# KiCad board plinkyblack_hwmidi_jacks.kicad_pcb (continued)
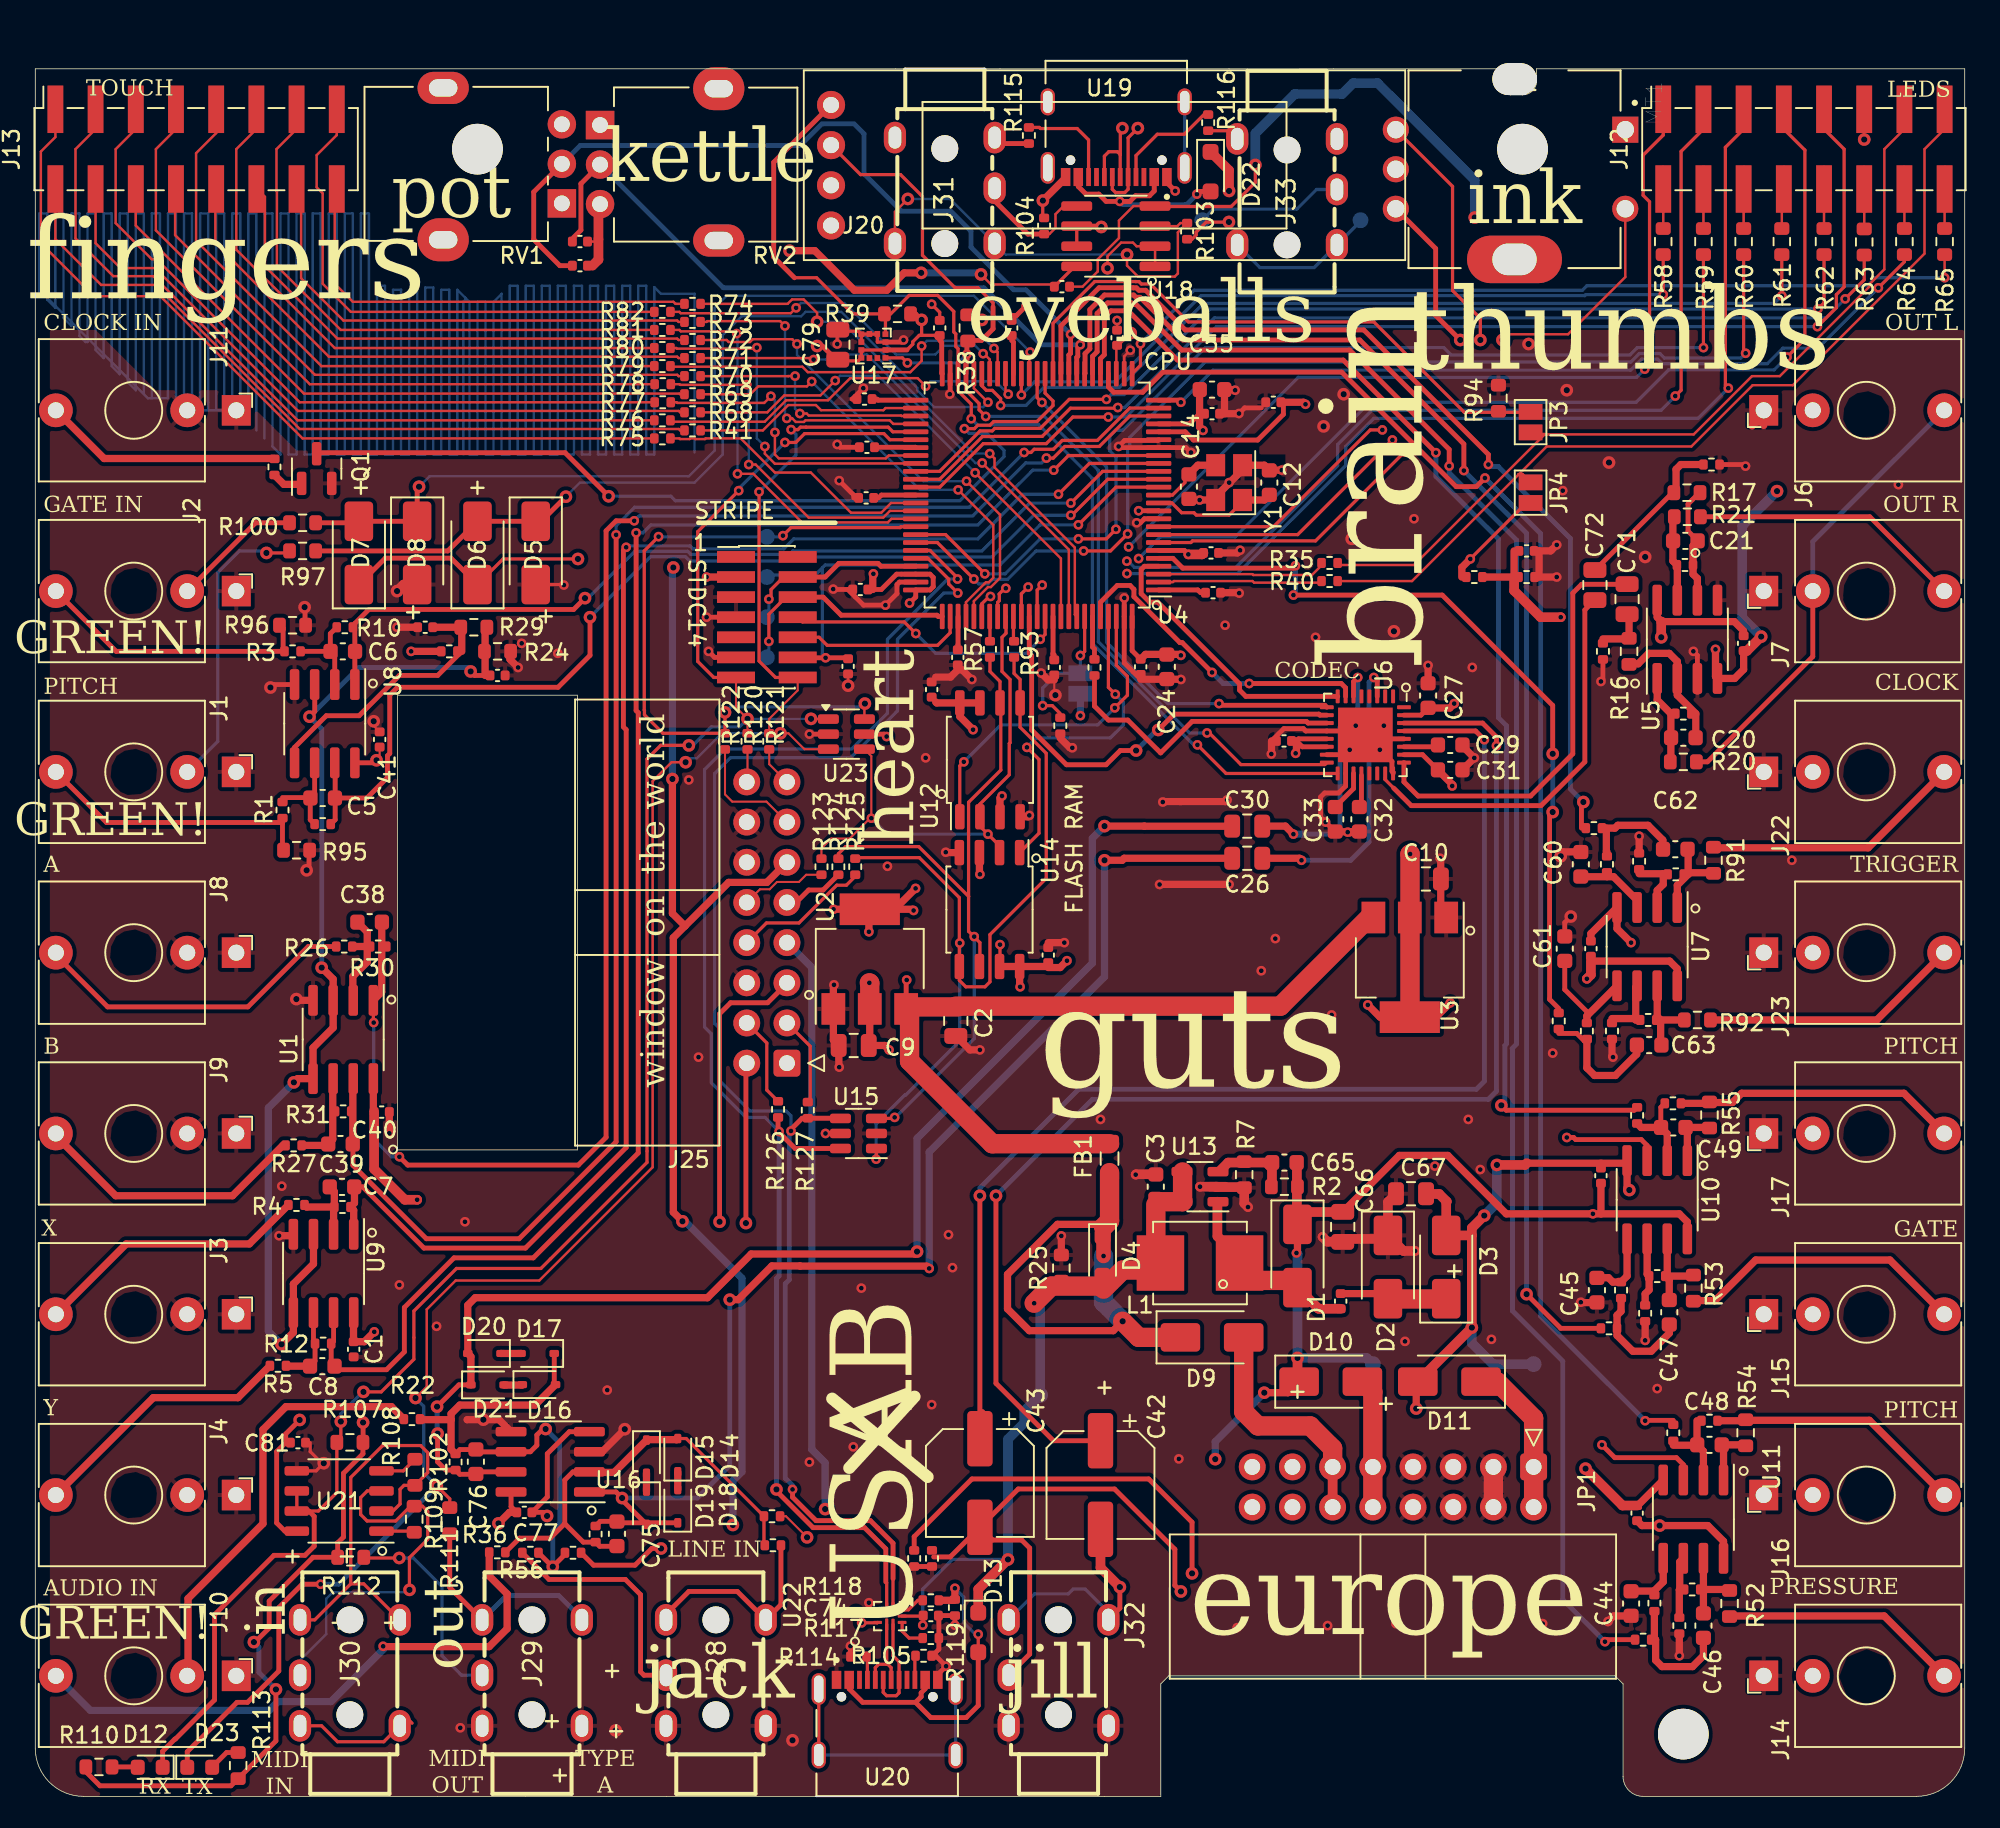
[diagram p0: board, top side]
## Routing (per net, layer and track width the routed paths; a pad name or vN(x,y) marks a point on that pad's centre or on a via; arc(x,y) is an arc through that point) (continued)
VBUS: length 220.4
  Top w0.203: v1(56.08,10.82) 56.11,10.85 C74.1 56.07,11.4 U22.9 ; 64.84,32.61 64.42,32.61
  Top w0.457: D13.1 59.58,12.12
  Top w0.61: v2(75.43,101.5) 75.43,102.8 D22.1 ; v2(61.46,14.98) 59.58,13.1 D13.1 ; 70.99,37.59 70.8,37.41
  Top w1.219: v1(63.12,31.18) 64.2,32.26 67.38,32.26 ; 72.5,39.48 72.5,37.59 70.99,37.59 ; 67.5,32.07 68.71,33.27 70.93,33.27 71.1,33.44 L1.1 ; 70.8,37.41 70.8,33.97
  In2.Cu w0.61: v2(75.43,101.5) 74.51,100.58 74.51,95.29 75.9,93.9 95.6,93.9 110.79,78.72 112.9,78.72 115.28,76.35 115.28,18.14 112.2,15.06 61.55,15.06 v2(61.46,14.98)
  Bottom w0.203: v1(56.08,10.82) 56.08,13.11 57.95,14.98 v2(61.46,14.98)
  Bottom w0.61: v2(61.46,14.98) 61.46,22.58 62.49,23.61 62.49,24.37 T_VBUS1.1 63.49,30.8 v1(63.12,31.18)
VDDA: length 203.9
  Top w0.13: C41.2 21.76,65.7 v2(21.56,65.5)
  Top w0.305: U4.22 72.93,86.77 73.57,87.41 ; U8.8 21.4,65.34 v2(21.56,65.5) ; 88.62,64.9 87.66,65.86 U6.26 ; U6.31 87.56,68.36 88.01,68.81
  Top w0.457: v1(21.42,29.37) 20.79,28.74 C1.2 20.11,28.75 20.11,30.57 U9.8 ; U1.8 21.36,43.31 C40.2 ; v1(84.2,50.04) 84.98,49.26 U3.2 88.51,49.26 v1(89.41,50.17) ; 73.57,88.94 73.57,86.58 v1(73.79,86.36) ; v1(89.66,69.09) 89.38,68.81 88.01,68.81 ; U3.2 86.93,55.64 86.93,58 ; v1(89.54,63.88) 89.54,63.98 88.62,64.9
  Top w0.61: v1(24.13,37.72) 23.35,37.72 21.41,39.66 C40.2
  Top w1.219: 86.87,49.4 86.87,59.57 v1(86.88,59.58)
  In2.Cu w0.61: v1(21.42,29.37) 21.42,33.05 21.95,33.58 21.95,35.54 v1(24.13,37.72) 20.27,41.58 20.27,64.21 v2(21.56,65.5)
  In2.Cu w1.219: 86.87,50.04 89.28,50.04 v1(89.41,50.17) ; 86.87,50.04 v1(84.2,50.04) 82.42,48.26 74.62,48.26 63.18,36.82 57,36.82 56.1,37.72 v1(24.13,37.72) ; 86.87,50.04 86.87,59.57 v1(86.88,59.58) 86.88,61.22 v1(89.54,63.88) 89.54,68.96 v1(89.66,69.09) 89.66,75.18 78.49,86.36 v1(73.79,86.36)
/INPUT_L_SECONDARYIN: length 185.3
  Top w0.13: v2(48.77,16.38) 47.44,17.71 R6.2
  Top w0.152: U18.1 U18.2 69.59,98 69.36,98.23 68.61,98.23 67.75,97.37 v2(67.75,96.61)
  In2.Cu w0.305: 67.75,96.6 67.75,96.33 71.3,92.78 95.1,92.78 110.63,77.25 110.63,71.99 114.17,68.45 114.17,18.54 112.01,16.38 v2(48.77,16.38)
/INPUT_R_SECONDARYIN: length 200.2
  Top w0.203: 66.37,99.27 U18.6 U18.7
  Top w0.305: R23.2 35.27,14.62 37.9,14.62 38.95,15.67 v2(39.54,15.67) ; v2(67.36,99.22) 67.31,99.27 66.37,99.27
  In2.Cu w0.305: v2(67.36,99.22) 67.36,98.07 72.14,93.29 95.3,93.29 110.48,78.12 112.66,78.12 114.68,76.1 114.68,18.4 111.95,15.67 v2(39.54,15.67)
/RING1_4: length 13.1
  Top w0.203: R112.1 20.8,15.07 v2(23,15.07)
  Bottom w0.203: v2(23,15.07) 23.89,15.07 25.7,13.26 25.7,8.89 26.93,7.66 J29.R
/TIP1_5: length 13.9
  Top w0.305: J29.T 26.19,13.21 R111.1
  Bottom w0.305: J29.T 29.78,12.7 33.07,12.7 34.54,11.23 J29.T
ADCDAT: length 34.4
  Top w0.203: U4.38 63.31,88.43 v1(63.61,88.13)
  Top w0.305: v1(74.8,69.09) 74.91,68.98 81.49,68.98 U6.9
  Bottom w0.203: v1(63.61,88.13) 67.69,84.05 67.69,72.96 71.56,69.09 v1(74.8,69.09)
AIN1: length 69
  Top w0.203: U4.15 67.77,83.27 65.5,80.99 v1(65.43,80.99)
  Top w0.305: R9.1 18.95,61.75 18.95,65.32 U8.7 ; 18.95,63.12 20.95,63.12 22.26,64.42 22.26,65.79 22.4,65.94 22.4,69.63 22.89,70.12 33.04,70.12 35.05,72.14 v2(35.05,74.55)
  Bottom w0.203: v1(65.43,80.99) 63.09,80.99 60.45,78.36 48.24,78.36 47.99,78.11 41.35,78.11 41.09,78.37 38.88,78.37 v2(35.05,74.55)
AIN2: length 58.8
  Top w0.203: v1(65.43,81.76) 67.44,83.77 U4.16
  Top w0.305: v2(34.73,75.76) 34.02,75.04 21.08,75.04 20.19,74.15 U8.1
  Bottom w0.203: v1(65.43,81.76) 62.84,81.76 59.82,78.74 47.88,78.74 47.66,78.52 41.42,78.52 41.23,78.72 37.89,78.72 34.93,75.76 v2(34.73,75.76)
AIN3: length 98.7
  Top w0.203: v1(64.65,82.32) 66.6,84.27 U4.17
  Top w0.305: 20.17,38.53 20.69,38.53 24.56,34.66 30.97,34.66 37.34,41.03 37.34,67.44 37.16,67.61 37.16,78.79 v1(37.34,78.97)
  Top w0.457: 20.17,38.53 20.17,37.51 R11.1 20.12,37.06 U9.1
  Bottom w0.203: v1(64.65,82.32) 62.38,82.32 59.56,79.5 47.93,79.5 47.3,78.87 41.55,78.87 41.37,79.06 37.43,79.06 v1(37.34,78.97)
AIN4: length 104.4
  Top w0.203: U4.18 65.28,84.77 v1(64.36,83.84)
  Top w0.305: v1(37.97,79.88) 37.97,68.65 38.1,68.51 38.1,40.68 31.47,34.05 26.46,34.05 23.32,30.91 23.32,28.1 22.2,26.97 19.15,26.97 18.7,27.42 R12.1 18.85,28.77 U9.7
  Bottom w0.203: v1(64.36,83.84) 63.03,83.84 59.57,80.38 38.9,80.38 38.4,79.88 v1(37.97,79.88)
AIN5: length 106.3
  Top w0.203: v1(63.89,84.61) 64.32,84.61 65.06,85.34 67.24,85.34 69.16,87.27 U4.23 ; v1(21.38,48.92) 21.36,48.94 U1.1
  Top w0.305: v1(37.85,80.65) 36.7,80.65 36.07,80.01 36.07,41.67 34.31,39.91 23.53,39.91 v1(23.01,40.44)
  Top w0.457: U1.1 21.89,50.86 21.89,55.26 C38.1
  Bottom w0.203: v1(63.89,84.61) 63.59,84.3 62.59,84.3 59.23,80.95 38.15,80.95 v1(37.85,80.65) ; v1(21.38,48.92) 21.38,41.55 22.5,40.44 v1(23.01,40.44)
AIN6: length 102.9
  Top w0.203: U4.24 69.16,87.77 67.11,85.72 64.89,85.72 64.33,85.17 63.12,85.17 62.92,84.96 v1(62.48,84.96)
  Top w0.305: 20.07,41.24 20.07,39.89 24.71,35.25 30.57,35.25 36.7,41.39 v1(36.7,79.76)
  Top w0.457: U1.7 20.07,45.35 20.07,41.25 20.07,41.24
  Bottom w0.203: v1(36.7,79.76) 36.7,80.33 37.87,81.5 59.02,81.5 v1(62.48,84.96)
AOUT1: length 94.1
  Top w0.305: 103.51,23.77 101.75,23.77 v1(101.73,23.75) ; v1(91.6,83.35) 91.06,82.8 89.79,82.8 82.55,90.04 71.25,90.04 69.98,88.77 68.14,88.77 67.81,89.11 U4.29
  Bottom w0.305: v1(101.73,23.75) 95.12,30.35 95.12,79.83 v1(91.6,83.35)
AOUT2: length 80.5
  Top w0.305: v2(92.64,43.69) 92.95,43.38 101.03,43.38 R49.2 ; v1(88.51,84.95) 82.65,90.81 72.18,90.81 69.06,93.92 67.97,93.92 67.55,93.5 67.55,91.14 67.31,90.9 U4.30
  Bottom w0.305: v2(92.64,43.69) 92.86,43.91 92.86,47.47 92.96,47.57 92.96,67.69 92.46,68.2 92.46,79.5 88.51,83.45 v1(88.51,84.95)
AOUT3: length 111.6
  Top w0.305: U4.31 66.81,91.05 67.1,91.33 67.1,93.76 67.76,94.42 69.27,94.42 69.36,94.33 69.55,94.33 72.44,91.44 83.06,91.44 89.35,85.15 v1(89.35,84.11) ; 100.81,9.91 99.31,9.91 v1(99.19,9.78)
  Bottom w0.305: 93.32,47.28 93.6,47.56 93.6,79.43 89.35,83.68 v1(89.35,84.11) ; v1(99.19,9.78) 96.52,12.45 96.52,27.52 93.34,30.69 93.34,47.26
AOUT4: length 93.1
  Top w0.305: 98.93,29.59 96.39,29.59 v2(94.23,31.75) ; v1(90.27,83.82) 90.27,85.5 83.69,92.08 72.51,92.08 69.81,94.77 69.55,94.77 69.4,94.92 67.56,94.92 66.64,94 66.64,91.52 66.33,91.22 66.33,89.97 U4.32
  Bottom w0.305: v2(94.23,31.75) 94.23,79.86 v1(90.27,83.82)
AOUT5: length 61.9
  Top w0.305: v1(91.82,84.2) 91.82,84.84 83.95,92.71 72.67,92.71 70.16,95.22 69.73,95.22 69.58,95.37 69.38,95.37 69.38,95.38 67.22,95.38 64.81,92.97 U4.35 ; v2(97.82,62.87) 97.7,62.74 97.7,61.21
  Bottom w0.305: v2(97.82,62.87) 97,63.68 97,79.53 92.46,84.07 91.95,84.07 v1(91.82,84.2)
AOUT6: length 49.6
  Top w0.305: 96.27,49.81 95.69,50.39 95.69,62.03 v2(95.89,62.23) ; v2(95.89,65.91) 95.89,68.97 88.91,75.95 v1(79.5,75.95) ; v1(79.63,77.8) 79.48,77.65 72.5,77.65 71.88,78.27 U4.5
  Bottom w0.305: v1(79.5,75.95) 79.63,76.07 v1(79.63,77.8) ; v2(95.89,62.23) v2(95.89,65.91)
CLKIN: length 57.7
  Top w0.203: v1(58.71,86.47) 59.34,86.47 59.56,86.68 60.32,86.68 60.56,86.92 63.3,86.92 64.31,87.93 64.31,88.22 63.81,88.72 U4.37
  Top w0.305: 17.78,84.95 33.48,84.95 v2(36.23,82.2)
  Bottom w0.203: v1(58.71,86.47) 59.01,86.17 60.14,86.17 61.21,85.09 61.21,84.71 58.42,81.91 40.45,81.91 40.16,82.2 v2(36.23,82.2)
DACDAT: length 28.2
  Top w0.305: U4.87 62.81,72.27 62.96,72.12 62.96,67.42 65.16,65.22 67.66,65.22 68.56,66.12 v2(69.56,66.12) ; U6.10 81.17,68.36 81.11,68.42 71.96,68.42 v2(70.96,67.42)
  Bottom w0.305: v2(70.96,67.42) 70.86,67.42 v2(69.56,66.12)
DEBUG: length 45.1
  Top w0.152: v2(52.42,69.09) 52.39,69.06 U23.6
  Top w0.203: U4.67 55.63,80.27 55.63,80.26 54.69,80.26 54.64,80.21 47.75,80.21 v1(47.24,79.71) ; v1(39.38,79.64) 38.48,78.74 38.48,68.69 38.49,68.68 38.49,68.37 39.66,67.21 R122.1 v2(43.58,68.53)
  Bottom w0.203: v2(52.42,69.09) 52.22,68.88 43.94,68.88 v2(43.58,68.53) ; v1(47.24,79.71) 47.17,79.63 TPDEBUG1.1 39.4,79.63 v1(39.38,79.64)
DM: length 92.8
  Top w0.203: U22.2 53.8,13.51 53.74,13.56 ; U4.70 56.53,78.77 58.28,77.03 v1(58.28,76.96)
  Top w0.305: 46.85,19.29 49.15,16.99 52.4,16.99 53.74,15.65 53.74,13.56 ; U15.6 48.01,40.96 47,41.97 v1(47,42.03) 46.94,42.1 R126.1
  Bottom w0.203: v1(58.28,76.96) 57.66,76.96 53.85,73.15 53.85,68.48 51.59,66.22 43.59,66.22 42.29,64.92 42.29,48.64 42.72,48.21 42.72,45.11 44.9,42.93 46.11,42.93 v1(47,42.03)
  Bottom w0.305: v2(46.83,19.41) 46.83,32.74 47,32.91 v1(47,42.03)
DP: length 91.3
  Top w0.203: v1(58.29,76.07) 57.72,76.65 57.72,76.95 56.4,78.27 U4.71 ; 54.2,13.77 U22.1
  Top w0.305: 54.2,13.77 54.2,16 52.77,17.43 49.33,17.43 47.85,18.92 v1(47.85,19.41) ; v1(47.75,42.07) 47.65,42.07 48.46,42.87 R127.1 50.86,42.87 U15.4
  Bottom w0.203: v1(58.29,76.07) 57.4,76.07 54.48,73.15 54.48,68.63 51.52,65.67 43.93,65.67 42.93,64.67 42.93,48.87 43.23,48.56 43.23,45.26 45.16,43.33 47.44,43.33 47.75,43.02 v1(47.75,42.07)
  Bottom w0.305: v1(47.75,42.07) 47.65,41.96 47.65,32.66 47.39,32.41 47.39,20.12 47.85,19.66 v1(47.85,19.41)
FSCLK: length 20.3
  Top w0.305: v1(74.36,71.06) 72.47,72.94 72.33,72.94 69.42,75.85 69.42,76.31 69.18,76.56 68.37,76.56 67.31,75.5 U4.96 ; U6.7 82.8,70.08 82.52,70.36 v1(76.71,70.36)
  Bottom w0.305: v1(74.36,71.06) 75.06,70.36 v1(76.71,70.36)
HPL: length 82.9
  Top w0.305: v2(60.71,37.97) 60.71,26.11 64.33,22.48 C42.1 ; v1(92.33,66.42) 92.33,66.98 91.45,67.86 U6.30
  Bottom w0.305: v2(60.71,37.97) 66.8,44.07 91.82,44.07 92.33,44.58 v1(92.33,66.42)
HPR: length 79.5
  Top w0.305: v2(59.69,37.97) C43.1 ; v1(91.57,66.8) 91.01,67.36 U6.29
  Top w0.457: 59.82,22.23 59.82,24.26
  Bottom w0.305: v2(59.69,37.97) 59.69,38.47 65.93,44.7 91.06,44.7 91.57,45.21 v1(91.57,66.8)
IO1: length 43.5
  Top w0.152: MT1.2 100.47,96.06 96.85,92.44 93.07,92.44 v2(92.71,92.08)
  Top w0.203: U4.7 73.02,79.27 73.13,79.37 80.9,79.37 v1(86.52,84.99)
  In2.Cu w0.152: v2(92.71,92.08) 90.81,90.17 87,90.17 86.52,89.69 86.52,86.26
  In2.Cu w0.203: v1(86.52,84.99) 86.52,86.26
IO2: length 43.2
  Top w0.203: v1(85.76,85.76) 79.77,79.77 U4.8 ; v2(91.31,92.08) 91.31,93.44 89.56,95.2 89.56,101.79 MT1.A
  In2.Cu w0.203: v1(85.76,85.76) 85.76,89.69 87.12,91.06 90.3,91.06 v2(91.31,92.08)
IO3: length 36.7
  Top w0.203: U4.9 78.24,80.27 84.36,86.39 v1(85.12,86.39)
  Top w0.305: v2(90.04,92.08) 88.49,93.63 88.49,97.85 MT1.B
  In2.Cu w0.203: v2(90.04,92.08) 86.11,92.08 85.4,91.37 85.4,87.43 85.12,87.15 v1(85.12,86.39)
JTCK: length 14.7
  Top w0.203: v1(46.35,73.03) 46.35,74.74 47.43,75.82 J5.6
  Top w0.305: J5.6 49.78,75.82 50.93,74.68 56.98,74.68 57.06,74.6 U4.76
  Bottom w0.203: v1(46.35,73.03) 46.35,72.14 T_JTCK1.1
JTDI: length 11.2
  Top w0.203: J5.10 49.53,73.28 50.04,72.77 57.01,72.77 57.81,73.57 U4.77
JTDO: length 18.2
  Top w0.203: U4.89 63.81,73.46 v1(63.5,73.15) ; J5.8 48.48,74.25 54.91,74.25 55.63,73.53
  Bottom w0.203: v1(63.5,73.15) 62.61,72.26 56.9,72.26 v1(55.64,73.52)
JTMS: length 11.8
  Top w0.203: v1(46.35,75.69) 46.49,75.83 46.49,76.3 47.28,77.09 J5.4
  Top w0.305: J5.4 49.91,77.09 50.77,77.95 53.25,77.95 53.43,77.77 U4.72
  Bottom w0.203: T_JTMS1.1 46.35,74.68 v1(46.35,75.69)
LINEINL: length 19.1
  Top w0.305: U6.3 84.8,70.52 v1(84.58,70.74)
  Top w0.457: 77.52,59.31 79.88,59.31 v1(80.01,59.18)
  Bottom w0.305: v1(84.58,70.74) 84.28,70.43 84.28,60.34 83.12,59.18 v1(80.01,59.18)
LINEINR: length 16.7
  Top w0.305: v1(83.57,70.74) 83.3,70.47 U6.6
  Top w0.457: 77.52,61.34 78.99,61.34 v1(79.5,60.83)
  Bottom w0.305: v1(83.57,70.74) 83.57,68.72 82.45,67.6 82.45,61.38 82.32,61.25 82.32,60.99 82.17,60.83 80.14,60.83
  Bottom w0.457: v1(79.5,60.83) 80.14,60.83
LINEOUTL: length 27.2
  Top w0.305: 100.58,76.63 97.71,76.63 97.16,76.07 97.16,65.91 94.49,63.25 87.38,63.25 86.49,64.14 U6.25
LINEOUTR: length 25.2
  Top w0.203: 85.3,64.41 85.3,64.28 85.96,63.63
  Top w0.305: 85.84,63.74 86.95,62.64 95.15,62.64 97.92,65.41 97.92,75.01 98.55,75.64
MCLK: length 18.4
  Top w0.305: 66.93,70.59 66.93,68.93 67.81,68.05 69.03,68.05 71.11,65.97 73.1,67.96 80.32,67.96 80.42,67.86 U6.11
MISO: length 33.6
  Top w0.13: U23.4 52.83,65.77 v3(52.83,61.84) 52.75,61.84 51.46,60.55 50.29,60.55 49.68,59.94 R123.1
  Top w0.203: 60.96,59.56 60.96,60.07 59.69,61.34 U12.2 59.69,62.73 61.54,64.59 61.54,66.56 61.59,66.61 61.59,70.61 61.09,71.12 61.09,73.28 61.34,73.53 61.34,74.56 U4.84
  Bottom w0.203: v3(52.83,61.84) 53.83,60.83 v1(60.2,60.83)
MOSI: length 54.5
  Top w0.203: R125.1 51.87,59.35 55.86,59.35 58.39,56.82 U14.5 58.39,51.59 58.8,51.18 60.01,51.18 60.32,51.5 60.32,54.48 63.88,58.04 63.88,65.94 62.23,67.59 U12.5 62.23,70.61 61.85,70.99 61.85,72.03 ; v1(53.13,40.28) 53.15,40.3 U15.1
  Bottom w0.203: v1(53.13,40.28) 53.13,42.53 54.95,44.35 55.01,44.35 58.42,47.75 v1(58.42,53.95)
N1: length 64.2
  Top w0.203: 60.92,76.01 60.92,75.59 60.81,75.48 U4.83 ; 60.9,76.01 61.26,76.38 v1(61.33,76.38) ; 102.87,105.41 102.87,105.03 101.6,103.76 101.6,101.22 102.01,100.81 102.01,90.54 v1(101.7,90.23)
  In2.Cu w0.203: v1(61.33,76.38) 63.06,78.11 68.2,78.11 v1(69.09,78.99)
  Bottom w0.203: v1(101.7,90.23) 101.18,89.71 79.81,89.71 v1(69.09,78.99)
N2: length 66.9
  Top w0.203: 105.41,105.41 104,104 104,88.9 v1(103.63,88.53) ; v1(62.74,76.45) 62.31,76.03 U4.86
  In2.Cu w0.203: v1(62.74,76.45) 62.74,76.89 63.45,77.6 68.48,77.6 v1(68.98,78.09)
  Bottom w0.203: v1(103.63,88.53) 102.73,87.63 84.45,87.63 82.3,85.47 82.3,84.13 75.86,77.7 69.45,77.7 69.06,78.09 v1(68.98,78.09)
N3: length 68.3
  Top w0.203: v1(63.63,76.58) 63.31,76.26 U4.88 ; v1(106.98,89.03) 106.8,89.21 106.8,104.26 107.95,105.41
  In2.Cu w0.203: v1(63.63,76.58) 64.05,77 68.68,77 v1(68.98,77.31)
  Bottom w0.203: v1(68.98,77.31) 75.97,77.31 82.8,84.14 82.8,85.34 84.58,87.12 105.07,87.12 v1(106.98,89.03)
N4: length 74.2
  Top w0.203: 110.49,105.41 111.82,104.08 111.82,92.13 v1(110.69,91) ; U4.81 59.81,75.4 60.27,75.86 v1(60.36,75.86)
  In2.Cu w0.203: v1(69.72,78.26) 69.72,77.22 68.83,76.33 64.39,76.33 63.88,75.82 60.45,75.82 60.38,75.9
  Bottom w0.203: v1(110.69,91) 109.88,90.19 103.2,90.19 101.16,88.14 84.33,88.14 75.82,79.63 71.09,79.63 v1(69.72,78.26)
N5: length 74.9
  Top w0.203: v1(67.8,87.2) 65.56,87.2 63.88,85.52 59.9,85.52 57.15,82.77 U4.62 ; 113.03,105.41 114.3,104.14 114.3,95.43 113.81,94.94 113.81,94.12 v1(112.61,92.92)
  Bottom w0.203: v1(67.8,87.2) 68.92,87.2 74.63,92.92 v1(112.61,92.92)
NRST: length 36.1
  Top w0.203: U4.14 68.29,82.77 v1(65.91,80.39)
  Top w0.305: 51.43,71.98 v1(49.94,71.98) 48.2,71.98 J5.12
  Bottom w0.203: 46.23,77.22 49.28,77.22 49.73,77.67 ; 49.73,77.67 49.91,77.85 60.96,77.85 63.5,80.39 v1(65.91,80.39) ; 49.73,77.67 49.73,72.19 v1(49.94,71.98)
P1: length 47.1
  Top w0.2: R58.1 v1(102.87,94.95)
  Top w0.203: U4.40 v1(62.31,88.6)
  Bottom w0.203: v1(102.87,94.95) 97.97,94.95 97.9,94.88 73.67,94.88 68.22,89.43 63.14,89.43 v1(62.31,88.6)
P2: length 67
  Top w0.2: R59.1 v1(105.41,91.59)
  Top w0.203: v1(60,77.29) 57.52,79.77 U4.68 ; v1(65.91,79.5) 67.68,79.5 v1(68.29,80.11)
  Bottom w0.203: v1(68.29,80.11) 68.29,84.68 67.89,85.08 67.89,86 68.26,86.37 68.72,86.37 73.94,91.59 89,91.59 89.46,91.13 100.77,91.13 101.23,91.59 v1(105.41,91.59) ; v1(65.91,79.5) 63.5,79.5 61.29,77.29 v1(60,77.29)
P3: length 69.6
  Top w0.2: R60.1 107.95,91.36 v1(108.08,91.24)
  Top w0.203: v1(66.24,78.74) 67.95,78.74 v1(69.02,79.82) ; U4.69 57,79.27 v1(59.31,76.96)
  Bottom w0.203: v1(69.02,79.82) 69.02,85.27 69.16,85.4 69.16,85.92 73.91,90.68 100.82,90.68 101.36,91.22 102.66,91.22 102.95,90.93 107.77,90.93 v1(108.08,91.24) ; v1(59.31,76.96) 59.61,76.66 60.19,76.66 60.47,76.94 61.44,76.94 63.24,78.74 v1(66.24,78.74)
P4: length 57.6
  Top w0.2: R61.1 v1(110.36,94.87)
  Top w0.203: U4.45 59.81,89.18 60.1,88.89 60.47,88.89 61,88.37 v1(61,87.93)
  Bottom w0.203: v1(61,87.93) 62.6,87.93 63.74,89.08 68.5,89.08 73.81,94.39 109.88,94.39 v1(110.36,94.87)
P5: length 64.9
  Top w0.203: R62.1 113.03,94.42 v1(112.65,94.04) ; v1(67.69,88.32) 65.34,88.32 63.5,86.49 60.63,86.49 60.47,86.33 59.7,86.33 57.15,83.77 U4.60
  Bottom w0.203: v1(112.65,94.04) 112.21,94.04 112.21,94.03 74.22,94.03 68.81,88.63 67.99,88.63 v1(67.69,88.32)
P6: length 66.7
  Top w0.203: v1(114.37,94.67) 115.57,95.88 R63.1 ; v1(68.4,87.81) 68.36,87.76 65.41,87.76 63.63,85.98 60.63,85.98 60.62,85.97 59.85,85.97 57.15,83.27 U4.61
  Bottom w0.203: v1(114.37,94.67) 113.17,93.48 74.51,93.48 68.84,87.81 v1(68.4,87.81)
P7: length 51.6
  Top w0.203: R64.1 118.11,97.02 v1(116.46,95.37)
  Top w0.305: v1(72.39,88.14) 72.26,88.27 U4.25
  Bottom w0.203: v1(116.46,95.37) 112.65,91.56 110.42,91.56 109.44,90.57 102.8,90.57 102.51,90.87 101.51,90.87 100.81,90.17 74.42,90.17 v1(72.39,88.14)
P8: length 56.1
  Top w0.152: R65.1 v1(120.65,96.01)
  Top w0.203: U4.26 69.84,90.47 v1(69.84,91.84)
  Bottom w0.203: v1(69.84,91.84) 73.22,95.22 97.76,95.22 98.04,95.5 115.77,95.5 116.27,96.01 v1(120.65,96.01)
POT1: length 42.3
  Top w0.305: U4.33 65.81,90.98 65.88,91.05 65.88,91.62 v1(66.03,91.77) ; RV2.2 34.48,101.96 34.48,99.02 34.01,98.55
  Bottom w0.305: RV2.2 43.47,95.38 59.94,95.38 63.55,91.77 v1(66.03,91.77)
POT2: length 51.6
  Top w0.305: 33.63,96.77 33.15,96.77 31.5,98.43 31.5,101.43 RV1.2 ; U4.34 65.31,91.13 65.42,91.23 v1(65.42,92.43)
  Bottom w0.305: v1(65.42,92.43) 62.6,95.25 61.82,95.25 59.13,97.94 59.13,98.95 57.85,100.22 54.73,100.22 52.36,102.58 52.36,105.11 51.74,105.74 49.71,105.74 48.34,104.37 34.43,104.37 RV1.2
RX: length 128.8
  Top w0.13: R120.1 v2(45.01,68.12) 44.28,68.85 J5.13
  Top w0.152: U23.1 49.03,68.11 v2(49.02,68.12)
  Top w0.203: U4.56 54.01,85.77 53.62,86.16 48.62,86.16 48.06,85.6 v1(47.37,85.6) ; v2(20.74,25.57) 21.86,25.57 23.92,27.64 23.92,30.68 26.62,33.38 31.95,33.38 38.66,40.08 38.66,65.58 39.52,66.45 v2(41.3,66.45) ; J5.13 42.87,70.74 41.86,71.75 41.86,79.96 v1(44.45,82.55) ; v2(19.31,23.7) 19.31,22.63 R107.1 19.06,19.21 17.89,18.04 U21.7 U21.6
  Top w0.305: D12.1 8.05,2.85 8.82,3.63 8.85,3.63 11.32,6.1 11.32,11.48 15.08,15.24 17.05,15.24 17.62,15.82 17.62,17.7 17.29,18.04 U21.7
  Bottom w0.13: v2(45.01,68.12) v2(49.02,68.12)
  Bottom w0.203: v2(20.74,25.57) 20.69,25.57 19.31,24.19 v2(19.31,23.7) ; v1(44.45,82.55) 44.45,82.68 v1(47.37,85.6) ; v2(45.01,68.12) 44.5,67.61 42.72,67.61 41.55,66.45 v2(41.3,66.45)
SCL: length 68
  Top w0.203: v1(55.11,90.63) 54.79,90.94 U17.1 ; v1(74.04,67.23) 74.18,67.23 76.18,65.23 81.49,65.23 U6.16 ; v1(60.06,87.24) 59.64,87.66 59.64,88.06 58.81,88.89 U4.47 ; 60.52,94.16 60.52,94.42 59.57,95.38 58.12,95.38 56.06,97.43 56.06,101.15 54.68,102.53 52.15,102.53 J20.2
  Top w0.305: U4.47 58.81,90.77 58.87,90.82 58.87,91.99 58.93,92.05 59.79,92.05 60.52,92.78 60.52,94.16
  Bottom w0.203: v1(74.04,67.23) 72.93,67.23 67.18,72.99 67.18,83.83 63.76,87.24 v1(60.06,87.24) ; v1(58.87,91.18) 58.32,90.63 v1(55.11,90.63)
SCLK: length 18.1
  Top w0.305: U6.8 76.49,69.54 76.1,69.94 76.1,70.33 70.93,75.5 70.42,75.5 69.88,76.04 69.88,77.57 70.08,77.77 U4.4
SDA: length 72
  Top w0.203: 53.7,93.73 53.72,93.7 U17.4 ; 53.7,93.73 54.05,93.73 55.22,94.89 57.02,94.89 58.04,93.88 58.04,92.58 58.17,92.46 58.17,91.67 58.31,91.52 U4.48 58.31,88.86 59.14,88.02 v1(59.14,87.1) ; 53.7,93.73 51.65,93.73 49.37,96.01 47.97,96.01 ; U6.17 75.24,64.67 v1(73.44,66.48)
  Top w0.305: 47.97,96.01 46.66,97.32 46.66,103.31 J20.1
  Bottom w0.203: v1(73.44,66.48) 73.2,66.48 66.8,72.88 66.8,83.32 63.4,86.72 60.36,86.72 60.32,86.68 59.55,86.68 v1(59.14,87.1)
SENSE: length 60.5
  Top w0.152: v1(62.87,91.31) 62.81,91.26 U4.39
  Top w0.305: v2(24.25,82.8) 24.13,82.68 D8.1 D7.2 20.35,80.52 17.68,80.52
  Bottom w0.152: v1(62.87,91.31) 59.31,94.87 43.69,94.87 42.93,94.11 42.93,85.09 41.29,83.46 24.91,83.46 v2(24.25,82.8)
SENSE2: length 57.9
  Top w0.152: U4.46 59.31,89.03 v1(60.2,88.14)
  Top w0.305: 17.91,78.74 26.07,78.74 D5.2 D6.1 31.97,80.61 v2(33.53,82.17)
  Bottom w0.152: v2(33.53,82.17) 34.42,83.06 41.66,83.06 43.43,84.84 43.43,92.38 44.63,93.57 48.39,93.57 48.67,93.85 50.93,93.85 55.73,89.05 55.73,88.9 56.79,87.83 59.89,87.83 v1(60.2,88.14)
SPICLK: length 45.8
  Top w0.203: 59.69,52.45 59.69,53.98 58.97,54.69 58.97,56.9 ; 58.97,56.9 58.97,56.9 55.83,60.05 51.2,60.05 50.75,59.59 R124.1 ; 58.97,56.9 58.97,62.85 61.01,64.88 61.01,69.08 U12.6 ; 60.32,72.03 60.32,71.12 60.96,70.48 60.96,69.09 ; U15.3 54.24,42.86 v1(54.3,42.93)
  Bottom w0.203: v1(54.3,42.93) 54.35,42.93 59.33,47.9 v1(59.33,54.36)
SPICS: length 20.9
  Top w0.203: v1(68.21,68.82) 69.01,69.62 69.01,70.81 68.31,71.51 U4.98 ; v1(58.67,65.41) 58.42,65.15 U12.1
  Bottom w0.203: v1(68.21,68.82) 67.14,67.74 61.01,67.74 v1(58.67,65.41)
SPICS2: length 21.4
  Top w0.203: U14.1 63.42,60.89 63.42,65.56 v1(62.66,66.32) ; U4.97 67.81,70.11 v1(68.24,69.68)
  Bottom w0.203: v1(68.24,69.68) 68.76,69.16 68.76,67.74 67.94,66.92 63.26,66.92 v1(62.66,66.32)
T1: length 14.5
  Top w0.152: 42.01,86.36 45.97,86.36 47.57,87.96 49.33,87.96 49.65,87.64 53.59,87.64 53.72,87.77 U4.52
T2: length 32.2
  Top w0.152: 42.01,87.5 46.26,87.5 47.32,88.57 49.61,88.57 v1(50.55,89.51) ; v1(59.39,83.68) 64.81,78.26 U4.91
  Bottom w0.152: v1(59.39,83.68) 53.26,89.81 50.85,89.81 v1(50.55,89.51)
T3: length 29.2
  Top w0.152: 42.01,88.65 45.18,88.65 45.68,89.14 48.76,89.14 v1(49.06,89.45) ; U4.79 58.81,75.5 60.07,76.76 60.26,76.76 60.53,77.04 60.53,80.38 v1(58.31,82.6)
  Bottom w0.152: v1(58.31,82.6) 55.91,82.6 v1(49.06,89.45)
T4: length 15.9
  Top w0.152: v1(48.01,89.79) 47.58,89.79 47.57,89.79 42.01,89.79 ; v1(48.31,87.43) 48.75,87.43 48.87,87.3 54.71,87.3 54.73,87.27 U4.53
  Bottom w0.152: v1(48.01,89.79) 48.01,87.73 v1(48.31,87.43)
T5: length 32.8
  Top w0.152: v1(49.18,90.84) 49.12,90.84 49.02,90.93 42.01,90.93 ; U4.92 65.31,78.82 v1(59.83,84.3)
  Bottom w0.152: v1(49.18,90.84) 49.97,90.84 50.29,91.16 52.54,91.16 59.4,84.3 v1(59.83,84.3)
T6: length 31.3
  Top w0.152: v1(48.13,91.82) 47.83,92.13 45.34,92.13 45.16,91.95 43.81,91.95 43.69,92.08 42.01,92.08 ; v1(58.84,83.15) 60.96,81.03 60.96,77.03 60.38,76.45 60.2,76.45 59.31,75.57 U4.80
  Bottom w0.152: v1(58.84,83.15) 56.11,83.15 48.13,91.13 v1(48.13,91.82)
T7: length 19.8
  Top w0.152: U4.54 54.21,86.77 53.99,86.99 48.67,86.99 48.57,86.89 48.06,86.89 47.83,87.12 v1(47.49,87.12) ; v1(47.37,92.96) 47.07,93.27 42.46,93.27 42.41,93.22 42.01,93.22
  Bottom w0.152: v1(47.37,92.96) 47.37,87.24 v1(47.49,87.12)
T8: length 35.4
  Top w0.152: U4.93 65.69,74.72 65.69,78.95 60.62,84.02 60.62,84.59 v1(60.31,84.89) ; 42.01,94.36 47.54,94.36 47.82,94.64 48.55,94.64 49.4,93.79 v2(49.4,93.22)
  Bottom w0.152: v2(49.4,93.22) 50.97,93.22 59.3,84.89 v1(60.31,84.89)
T9: length 17.8
  Top w0.152: 40.11,85.85 40.7,85.85 40.74,85.81 41.35,85.81 41.39,85.85 41.67,85.85 41.71,85.81 42.32,85.81 42.36,85.85 44.58,85.85 46.74,83.69 49.01,83.69 51.55,81.15 53.46,81.15 54.07,81.77 U4.64
T10: length 24.6
  Top w0.152: 40.11,87 40.2,86.91 46.09,86.91 47.45,88.26 50.09,88.26 51.49,89.66 55.75,89.66 v1(56.26,89.15) ; U4.42 61.31,88.82 v1(61.48,88.65)
  Bottom w0.152: v1(61.48,88.65) 60.67,89.46 56.57,89.46 v1(56.26,89.15)
T11: length 19.4
  Top w0.152: 40.13,88.14 40.53,88.14 40.57,88.1 46.06,88.1 v1(46.48,88.52) ; v1(46.74,86.23) 46.74,84.84 46.98,84.59 53.74,84.59 53.93,84.77 U4.58
  Bottom w0.152: v1(46.74,86.23) 46.74,88.27 v1(46.48,88.52)
T12: length 22.1
  Top w0.152: v1(45.09,84.2) 45.52,84.2 48.87,80.85 53.58,80.85 54.01,81.27 U4.65 ; v1(44.96,89.26) 44.94,89.24 40.74,89.24 40.7,89.28 40.13,89.28
  Bottom w0.152: v1(45.09,84.2) 45.09,89.13 v1(44.96,89.26)
T13: length 23.9
  Top w0.152: v1(56.01,91.69) 56.01,90.75 55.29,90.04 48.82,90.04 48.47,90.38 40.15,90.38 40.11,90.42 ; v1(60.58,91.54) 60.81,91.31 U4.43
  Bottom w0.152: v1(60.58,91.54) 60.1,92.02 56.33,92.02 v1(56.01,91.69)
T14: length 22.2
  Top w0.152: U4.59 47.65,84.27 47.63,84.25 46.73,84.25 46.1,84.89 v1(46.1,85.34) ; 40.11,91.57 40.5,91.57 40.54,91.53 45.53,91.53 v1(45.59,91.59)
  Bottom w0.152: v1(45.59,91.59) 45.59,85.85 v1(46.1,85.34)
T15: length 25.8
  Top w0.152: 40.11,92.71 40.7,92.71 40.79,92.62 44.18,92.62 v1(44.32,92.48) ; v1(44.37,83.62) 45.37,83.62 48.44,80.54 53.87,80.54 54.1,80.77 U4.66